# Altium PCB PCB22.PcbDoc (part 9 of 16) (continued)
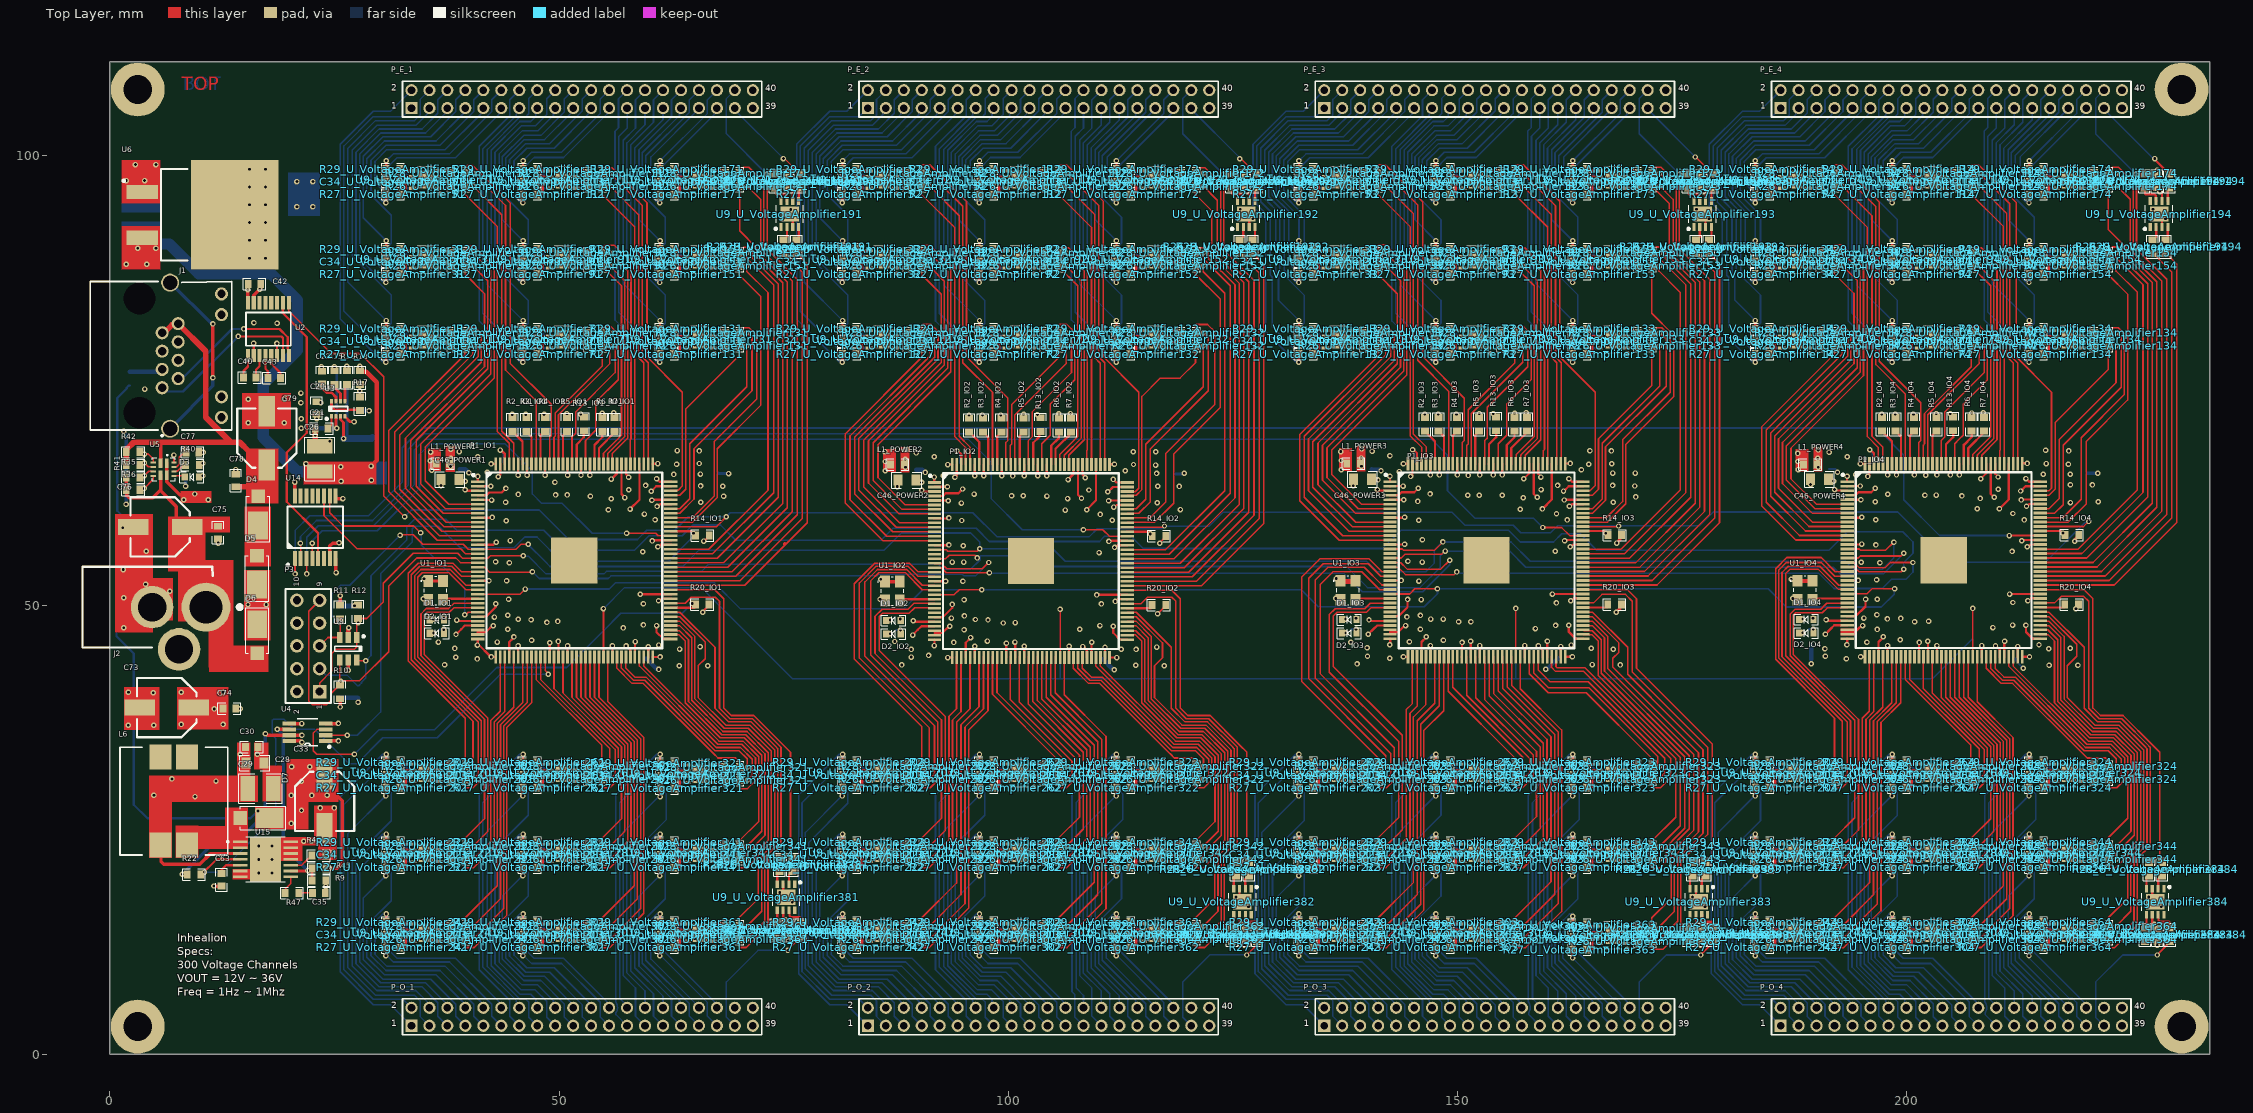
[diagram p0: Top Layer view]
## Nets (pads, with @x,y where several pads share a name; then routed paths per layer and width w, separated by ;. In a path a pad name is that pad's centre, name@x,y a point inside that pad or via, vN(x,y) a via of type N, cw(c..) or ccw(c..) an arc to the next point about the centre after c; other vN are vias at no path point) (continued)
  Top Layer w0.254: U9_U_VoltageAmplifier324.2@219.488,31.018 220.563,31.018 220.906,30.675 R26_U_VoltageAmplifier324.2@220.906,30.612
NetR26_U_VoltageAmplifier331_2: R26_U_VoltageAmplifier331.2 U9_U_VoltageAmplifier331.2 | length 1.6
  Bottom Layer w0.254: U9_U_VoltageAmplifier331.2@67.118,31.577 68.208,31.577 68.536,31.905 R26_U_VoltageAmplifier331.2@68.536,31.968
NetR26_U_VoltageAmplifier332_2: R26_U_VoltageAmplifier332.2 U9_U_VoltageAmplifier332.2 | length 1.6
  Bottom Layer w0.254: U9_U_VoltageAmplifier332.2@117.888,31.668 118.978,31.668 119.306,31.996 R26_U_VoltageAmplifier332.2@119.306,32.059
NetR26_U_VoltageAmplifier333_2: R26_U_VoltageAmplifier333.2 U9_U_VoltageAmplifier333.2 | length 1.6
  Bottom Layer w0.254: U9_U_VoltageAmplifier333.2@168.688,31.668 169.778,31.668 170.106,31.996 R26_U_VoltageAmplifier333.2@170.106,32.059
NetR26_U_VoltageAmplifier334_2: R26_U_VoltageAmplifier334.2 U9_U_VoltageAmplifier334.2 | length 1.6
  Bottom Layer w0.254: U9_U_VoltageAmplifier334.2@219.488,31.668 220.578,31.668 220.906,31.996 R26_U_VoltageAmplifier334.2@220.906,32.059
NetR26_U_VoltageAmplifier341_2: R26_U_VoltageAmplifier341.2 U9_U_VoltageAmplifier341.2 | length 1.6
  Top Layer w0.254: U9_U_VoltageAmplifier341.2@67.088,22.128 68.163,22.128 68.506,21.785 R26_U_VoltageAmplifier341.2@68.506,21.722
NetR26_U_VoltageAmplifier342_2: R26_U_VoltageAmplifier342.2 U9_U_VoltageAmplifier342.2 | length 1.6
  Top Layer w0.254: U9_U_VoltageAmplifier342.2@117.888,22.128 118.963,22.128 119.306,21.785 R26_U_VoltageAmplifier342.2@119.306,21.722
NetR26_U_VoltageAmplifier343_2: R26_U_VoltageAmplifier343.2 U9_U_VoltageAmplifier343.2 | length 1.6
  Top Layer w0.254: U9_U_VoltageAmplifier343.2@168.688,22.128 169.763,22.128 170.106,21.785 R26_U_VoltageAmplifier343.2@170.106,21.722
NetR26_U_VoltageAmplifier344_2: R26_U_VoltageAmplifier344.2 U9_U_VoltageAmplifier344.2 | length 1.6
  Top Layer w0.254: U9_U_VoltageAmplifier344.2@219.488,22.128 220.563,22.128 220.906,21.785 R26_U_VoltageAmplifier344.2@220.906,21.722
NetR26_U_VoltageAmplifier351_2: R26_U_VoltageAmplifier351.2 U9_U_VoltageAmplifier351.2 | length 1.6
  Bottom Layer w0.254: U9_U_VoltageAmplifier351.2@67.088,22.778 68.178,22.778 68.506,23.106 R26_U_VoltageAmplifier351.2@68.506,23.169
NetR26_U_VoltageAmplifier352_2: R26_U_VoltageAmplifier352.2 U9_U_VoltageAmplifier352.2 | length 1.6
  Bottom Layer w0.254: U9_U_VoltageAmplifier352.2@117.888,22.778 118.978,22.778 119.306,23.106 R26_U_VoltageAmplifier352.2@119.306,23.169
NetR26_U_VoltageAmplifier353_2: R26_U_VoltageAmplifier353.2 U9_U_VoltageAmplifier353.2 | length 1.6
  Bottom Layer w0.254: U9_U_VoltageAmplifier353.2@168.688,22.778 169.778,22.778 170.106,23.106 R26_U_VoltageAmplifier353.2@170.106,23.169
NetR26_U_VoltageAmplifier354_2: R26_U_VoltageAmplifier354.2 U9_U_VoltageAmplifier354.2 | length 1.6
  Bottom Layer w0.254: U9_U_VoltageAmplifier354.2@219.488,22.778 220.578,22.778 220.906,23.106 R26_U_VoltageAmplifier354.2@220.906,23.169
NetR26_U_VoltageAmplifier361_2: R26_U_VoltageAmplifier361.2 U9_U_VoltageAmplifier361.2 | length 1.6
  Top Layer w0.254: U9_U_VoltageAmplifier361.2@67.088,13.238 68.163,13.238 68.506,12.895 R26_U_VoltageAmplifier361.2@68.506,12.832
NetR26_U_VoltageAmplifier362_2: R26_U_VoltageAmplifier362.2 U9_U_VoltageAmplifier362.2 | length 1.6
  Top Layer w0.254: U9_U_VoltageAmplifier362.2@117.888,13.238 118.963,13.238 119.306,12.895 R26_U_VoltageAmplifier362.2@119.306,12.832
NetR26_U_VoltageAmplifier363_2: R26_U_VoltageAmplifier363.2 U9_U_VoltageAmplifier363.2 | length 1.6
  Top Layer w0.254: U9_U_VoltageAmplifier363.2@168.688,12.984 169.763,12.984 170.106,12.641 R26_U_VoltageAmplifier363.2@170.106,12.578
NetR26_U_VoltageAmplifier364_2: R26_U_VoltageAmplifier364.2 U9_U_VoltageAmplifier364.2 | length 1.6
  Top Layer w0.254: U9_U_VoltageAmplifier364.2@219.488,13.238 220.563,13.238 220.906,12.895 R26_U_VoltageAmplifier364.2@220.906,12.832
NetR26_U_VoltageAmplifier371_2: R26_U_VoltageAmplifier371.2 U9_U_VoltageAmplifier371.2 | length 1.6
  Bottom Layer w0.254: U9_U_VoltageAmplifier371.2@67.088,13.888 68.178,13.888 68.506,14.216 R26_U_VoltageAmplifier371.2@68.506,14.279
NetR26_U_VoltageAmplifier372_2: R26_U_VoltageAmplifier372.2 U9_U_VoltageAmplifier372.2 | length 1.6
  Bottom Layer w0.254: U9_U_VoltageAmplifier372.2@117.888,13.888 118.978,13.888 119.306,14.216 R26_U_VoltageAmplifier372.2@119.306,14.279
NetR26_U_VoltageAmplifier373_2: R26_U_VoltageAmplifier373.2 U9_U_VoltageAmplifier373.2 | length 1.6
  Bottom Layer w0.254: U9_U_VoltageAmplifier373.2@168.688,13.634 169.778,13.634 170.106,13.962 R26_U_VoltageAmplifier373.2@170.106,14.025
NetR26_U_VoltageAmplifier374_2: R26_U_VoltageAmplifier374.2 U9_U_VoltageAmplifier374.2 | length 1.6
  Bottom Layer w0.254: U9_U_VoltageAmplifier374.2@219.488,13.888 220.578,13.888 220.906,14.216 R26_U_VoltageAmplifier374.2@220.906,14.279
NetR26_U_VoltageAmplifier381_2: R26_U_VoltageAmplifier381.2 U9_U_VoltageAmplifier381.2 | length 1.6
  Top Layer w0.254: U9_U_VoltageAmplifier381.2@75.582,18.938 75.582,20.013 75.925,20.356 R26_U_VoltageAmplifier381.2@75.988,20.356
NetR26_U_VoltageAmplifier382_2: R26_U_VoltageAmplifier382.2 U9_U_VoltageAmplifier382.2 | length 1.6
  Top Layer w0.254: U9_U_VoltageAmplifier382.2@126.382,18.43 126.382,19.505 126.725,19.848 R26_U_VoltageAmplifier382.2@126.788,19.848
NetR26_U_VoltageAmplifier383_2: R26_U_VoltageAmplifier383.2 U9_U_VoltageAmplifier383.2 | length 1.6
  Top Layer w0.254: U9_U_VoltageAmplifier383.2@177.182,18.43 177.182,19.505 177.525,19.848 R26_U_VoltageAmplifier383.2@177.588,19.848
NetR26_U_VoltageAmplifier384_2: R26_U_VoltageAmplifier384.2 U9_U_VoltageAmplifier384.2 | length 1.6
  Top Layer w0.254: U9_U_VoltageAmplifier384.2@227.982,18.43 227.982,19.505 228.325,19.848 R26_U_VoltageAmplifier384.2@228.388,19.848
NetR27_U_VoltageAmplifier11_1: R27_U_VoltageAmplifier11.1 U9_U_VoltageAmplifier11.7 | length 2.6
  Top Layer w0.254: R27_U_VoltageAmplifier11.1@32.26,77.957 32.336,78.033 32.873,78.033 32.946,78.106 32.946,79.081 33.095,79.23 33.66,79.23 U9_U_VoltageAmplifier11.7@33.708,79.278
NetR27_U_VoltageAmplifier12_1: R27_U_VoltageAmplifier12.1 U9_U_VoltageAmplifier12.7 | length 2.6
  Top Layer w0.254: R27_U_VoltageAmplifier12.1@83.06,77.957 83.136,78.033 83.673,78.033 83.746,78.106 83.746,79.081 83.895,79.23 84.46,79.23 U9_U_VoltageAmplifier12.7@84.508,79.278
NetR27_U_VoltageAmplifier13_1: R27_U_VoltageAmplifier13.1 U9_U_VoltageAmplifier13.7 | length 2.6
  Top Layer w0.254: R27_U_VoltageAmplifier13.1@133.86,77.957 133.936,78.033 134.473,78.033 134.546,78.106 134.546,79.081 134.695,79.23 135.26,79.23 U9_U_VoltageAmplifier13.7@135.308,79.278
NetR27_U_VoltageAmplifier14_1: R27_U_VoltageAmplifier14.1 U9_U_VoltageAmplifier14.7 | length 2.6
  Top Layer w0.254: R27_U_VoltageAmplifier14.1@184.66,77.957 184.736,78.033 185.273,78.033 185.346,78.106 185.346,79.081 185.495,79.23 186.06,79.23 U9_U_VoltageAmplifier14.7@186.108,79.278
NetR27_U_VoltageAmplifier21_1: R27_U_VoltageAmplifier21.1 U9_U_VoltageAmplifier21.7 | length 1.8
  Bottom Layer w0.254: R27_U_VoltageAmplifier21.1@32.26,80.751 32.26,80.688 32.514,80.434 32.779,80.434 33.237,79.976 33.66,79.976 U9_U_VoltageAmplifier21.7@33.708,79.928
NetR27_U_VoltageAmplifier22_1: R27_U_VoltageAmplifier22.1 U9_U_VoltageAmplifier22.7 | length 1.8
  Bottom Layer w0.254: R27_U_VoltageAmplifier22.1@83.06,80.751 83.06,80.688 83.314,80.434 83.579,80.434 84.037,79.976 84.46,79.976 U9_U_VoltageAmplifier22.7@84.508,79.928
NetR27_U_VoltageAmplifier23_1: R27_U_VoltageAmplifier23.1 U9_U_VoltageAmplifier23.7 | length 1.8
  Bottom Layer w0.254: R27_U_VoltageAmplifier23.1@133.86,80.751 133.86,80.688 134.114,80.434 134.379,80.434 134.837,79.976 135.26,79.976 U9_U_VoltageAmplifier23.7@135.308,79.928
NetR27_U_VoltageAmplifier24_1: R27_U_VoltageAmplifier24.1 U9_U_VoltageAmplifier24.7 | length 1.8
  Bottom Layer w0.254: R27_U_VoltageAmplifier24.1@184.66,80.751 184.66,80.688 184.914,80.434 185.179,80.434 185.637,79.976 186.06,79.976 U9_U_VoltageAmplifier24.7@186.108,79.928
NetR27_U_VoltageAmplifier31_1: R27_U_VoltageAmplifier31.1 U9_U_VoltageAmplifier31.7 | length 2.6
  Top Layer w0.254: R27_U_VoltageAmplifier31.1@32.26,86.847 32.336,86.923 32.873,86.923 32.946,86.996 32.946,87.971 33.095,88.12 33.66,88.12 U9_U_VoltageAmplifier31.7@33.708,88.168
NetR27_U_VoltageAmplifier32_1: R27_U_VoltageAmplifier32.1 U9_U_VoltageAmplifier32.7 | length 2.6
  Top Layer w0.254: R27_U_VoltageAmplifier32.1@83.06,86.847 83.136,86.923 83.673,86.923 83.746,86.996 83.746,87.971 83.895,88.12 84.46,88.12 U9_U_VoltageAmplifier32.7@84.508,88.168
NetR27_U_VoltageAmplifier33_1: R27_U_VoltageAmplifier33.1 U9_U_VoltageAmplifier33.7 | length 2.6
  Top Layer w0.254: R27_U_VoltageAmplifier33.1@133.86,86.847 133.936,86.923 134.473,86.923 134.546,86.996 134.546,87.971 134.695,88.12 135.26,88.12 U9_U_VoltageAmplifier33.7@135.308,88.168
NetR27_U_VoltageAmplifier34_1: R27_U_VoltageAmplifier34.1 U9_U_VoltageAmplifier34.7 | length 2.6
  Top Layer w0.254: R27_U_VoltageAmplifier34.1@184.66,86.847 184.736,86.923 185.273,86.923 185.346,86.996 185.346,87.971 185.495,88.12 186.06,88.12 U9_U_VoltageAmplifier34.7@186.108,88.168
NetR27_U_VoltageAmplifier41_1: R27_U_VoltageAmplifier41.1 U9_U_VoltageAmplifier41.7 | length 1.8
  Bottom Layer w0.254: R27_U_VoltageAmplifier41.1@32.26,89.641 32.26,89.578 32.514,89.324 32.779,89.324 33.237,88.866 33.66,88.866 U9_U_VoltageAmplifier41.7@33.708,88.818
NetR27_U_VoltageAmplifier42_1: R27_U_VoltageAmplifier42.1 U9_U_VoltageAmplifier42.7 | length 1.8
  Bottom Layer w0.254: R27_U_VoltageAmplifier42.1@83.06,89.641 83.06,89.578 83.314,89.324 83.579,89.324 84.037,88.866 84.46,88.866 U9_U_VoltageAmplifier42.7@84.508,88.818
NetR27_U_VoltageAmplifier43_1: R27_U_VoltageAmplifier43.1 U9_U_VoltageAmplifier43.7 | length 1.8
  Bottom Layer w0.254: R27_U_VoltageAmplifier43.1@133.86,89.641 133.86,89.578 134.114,89.324 134.379,89.324 134.837,88.866 135.26,88.866 U9_U_VoltageAmplifier43.7@135.308,88.818
NetR27_U_VoltageAmplifier44_1: R27_U_VoltageAmplifier44.1 U9_U_VoltageAmplifier44.7 | length 1.8
  Bottom Layer w0.254: R27_U_VoltageAmplifier44.1@184.66,89.641 184.66,89.578 184.914,89.324 185.179,89.324 185.637,88.866 186.06,88.866 U9_U_VoltageAmplifier44.7@186.108,88.818
NetR27_U_VoltageAmplifier51_1: R27_U_VoltageAmplifier51.1 U9_U_VoltageAmplifier51.7 | length 2.6
  Top Layer w0.254: R27_U_VoltageAmplifier51.1@32.26,95.737 32.336,95.813 32.873,95.813 32.946,95.886 32.946,96.861 33.095,97.01 33.66,97.01 U9_U_VoltageAmplifier51.7@33.708,97.058
NetR27_U_VoltageAmplifier52_1: R27_U_VoltageAmplifier52.1 U9_U_VoltageAmplifier52.7 | length 2.6
  Top Layer w0.254: R27_U_VoltageAmplifier52.1@83.06,95.737 83.136,95.813 83.673,95.813 83.746,95.886 83.746,96.861 83.895,97.01 84.46,97.01 U9_U_VoltageAmplifier52.7@84.508,97.058
NetR27_U_VoltageAmplifier53_1: R27_U_VoltageAmplifier53.1 U9_U_VoltageAmplifier53.7 | length 2.6
  Top Layer w0.254: R27_U_VoltageAmplifier53.1@133.86,95.737 133.936,95.813 134.473,95.813 134.546,95.886 134.546,96.861 134.695,97.01 135.26,97.01 U9_U_VoltageAmplifier53.7@135.308,97.058
NetR27_U_VoltageAmplifier54_1: R27_U_VoltageAmplifier54.1 U9_U_VoltageAmplifier54.7 | length 2.6
  Top Layer w0.254: R27_U_VoltageAmplifier54.1@184.66,95.737 184.736,95.813 185.273,95.813 185.346,95.886 185.346,96.861 185.495,97.01 186.06,97.01 U9_U_VoltageAmplifier54.7@186.108,97.058
NetR27_U_VoltageAmplifier61_1: R27_U_VoltageAmplifier61.1 U9_U_VoltageAmplifier61.7 | length 1.8
  Bottom Layer w0.254: R27_U_VoltageAmplifier61.1@32.26,98.531 32.26,98.468 32.514,98.214 32.779,98.214 33.237,97.756 33.66,97.756 U9_U_VoltageAmplifier61.7@33.708,97.708
NetR27_U_VoltageAmplifier62_1: R27_U_VoltageAmplifier62.1 U9_U_VoltageAmplifier62.7 | length 1.8
  Bottom Layer w0.254: R27_U_VoltageAmplifier62.1@83.06,98.531 83.06,98.468 83.314,98.214 83.579,98.214 84.037,97.756 84.46,97.756 U9_U_VoltageAmplifier62.7@84.508,97.708
NetR27_U_VoltageAmplifier63_1: R27_U_VoltageAmplifier63.1 U9_U_VoltageAmplifier63.7 | length 1.8
  Bottom Layer w0.254: R27_U_VoltageAmplifier63.1@133.86,98.531 133.86,98.468 134.114,98.214 134.379,98.214 134.837,97.756 135.26,97.756 U9_U_VoltageAmplifier63.7@135.308,97.708
NetR27_U_VoltageAmplifier64_1: R27_U_VoltageAmplifier64.1 U9_U_VoltageAmplifier64.7 | length 1.8
  Bottom Layer w0.254: R27_U_VoltageAmplifier64.1@184.66,98.531 184.66,98.468 184.914,98.214 185.179,98.214 185.637,97.756 186.06,97.756 U9_U_VoltageAmplifier64.7@186.108,97.708
NetR27_U_VoltageAmplifier71_1: R27_U_VoltageAmplifier71.1 U9_U_VoltageAmplifier71.7 | length 2.6
  Top Layer w0.254: R27_U_VoltageAmplifier71.1@47.5,77.957 47.576,78.033 48.113,78.033 48.186,78.106 48.186,79.081 48.335,79.23 48.9,79.23 U9_U_VoltageAmplifier71.7@48.948,79.278
NetR27_U_VoltageAmplifier72_1: R27_U_VoltageAmplifier72.1 U9_U_VoltageAmplifier72.7 | length 2.6
  Top Layer w0.254: R27_U_VoltageAmplifier72.1@98.3,77.957 98.376,78.033 98.913,78.033 98.986,78.106 98.986,79.081 99.135,79.23 99.7,79.23 U9_U_VoltageAmplifier72.7@99.748,79.278
NetR27_U_VoltageAmplifier73_1: R27_U_VoltageAmplifier73.1 U9_U_VoltageAmplifier73.7 | length 2.6
  Top Layer w0.254: R27_U_VoltageAmplifier73.1@149.1,77.957 149.176,78.033 149.713,78.033 149.786,78.106 149.786,79.081 149.935,79.23 150.5,79.23 U9_U_VoltageAmplifier73.7@150.548,79.278
NetR27_U_VoltageAmplifier74_1: R27_U_VoltageAmplifier74.1 U9_U_VoltageAmplifier74.7 | length 2.6
  Top Layer w0.254: R27_U_VoltageAmplifier74.1@199.9,77.957 199.976,78.033 200.513,78.033 200.586,78.106 200.586,79.081 200.735,79.23 201.3,79.23 U9_U_VoltageAmplifier74.7@201.348,79.278
NetR27_U_VoltageAmplifier81_1: R27_U_VoltageAmplifier81.1 U9_U_VoltageAmplifier81.7 | length 1.8
  Bottom Layer w0.254: R27_U_VoltageAmplifier81.1@47.5,80.751 47.5,80.688 47.754,80.434 48.019,80.434 48.477,79.976 48.9,79.976 U9_U_VoltageAmplifier81.7@48.948,79.928
NetR27_U_VoltageAmplifier82_1: R27_U_VoltageAmplifier82.1 U9_U_VoltageAmplifier82.7 | length 1.8
  Bottom Layer w0.254: R27_U_VoltageAmplifier82.1@98.3,80.751 98.3,80.688 98.554,80.434 98.819,80.434 99.277,79.976 99.7,79.976 U9_U_VoltageAmplifier82.7@99.748,79.928
NetR27_U_VoltageAmplifier83_1: R27_U_VoltageAmplifier83.1 U9_U_VoltageAmplifier83.7 | length 1.8
  Bottom Layer w0.254: R27_U_VoltageAmplifier83.1@149.1,80.751 149.1,80.688 149.354,80.434 149.619,80.434 150.077,79.976 150.5,79.976 U9_U_VoltageAmplifier83.7@150.548,79.928
NetR27_U_VoltageAmplifier84_1: R27_U_VoltageAmplifier84.1 U9_U_VoltageAmplifier84.7 | length 1.8
  Bottom Layer w0.254: R27_U_VoltageAmplifier84.1@199.9,80.751 199.9,80.688 200.154,80.434 200.419,80.434 200.877,79.976 201.3,79.976 U9_U_VoltageAmplifier84.7@201.348,79.928
NetR27_U_VoltageAmplifier91_1: R27_U_VoltageAmplifier91.1 U9_U_VoltageAmplifier91.7 | length 2.6
  Top Layer w0.254: R27_U_VoltageAmplifier91.1@47.5,86.847 47.576,86.923 48.113,86.923 48.186,86.996 48.186,87.971 48.335,88.12 48.9,88.12 U9_U_VoltageAmplifier91.7@48.948,88.168
NetR27_U_VoltageAmplifier92_1: R27_U_VoltageAmplifier92.1 U9_U_VoltageAmplifier92.7 | length 2.6
  Top Layer w0.254: R27_U_VoltageAmplifier92.1@98.3,86.847 98.376,86.923 98.913,86.923 98.986,86.996 98.986,87.971 99.135,88.12 99.7,88.12 U9_U_VoltageAmplifier92.7@99.748,88.168
NetR27_U_VoltageAmplifier93_1: R27_U_VoltageAmplifier93.1 U9_U_VoltageAmplifier93.7 | length 2.6
  Top Layer w0.254: R27_U_VoltageAmplifier93.1@149.1,86.847 149.176,86.923 149.713,86.923 149.786,86.996 149.786,87.971 149.935,88.12 150.5,88.12 U9_U_VoltageAmplifier93.7@150.548,88.168
NetR27_U_VoltageAmplifier94_1: R27_U_VoltageAmplifier94.1 U9_U_VoltageAmplifier94.7 | length 2.6
  Top Layer w0.254: R27_U_VoltageAmplifier94.1@199.9,86.847 199.976,86.923 200.513,86.923 200.586,86.996 200.586,87.971 200.735,88.12 201.3,88.12 U9_U_VoltageAmplifier94.7@201.348,88.168
NetR27_U_VoltageAmplifier101_1: R27_U_VoltageAmplifier101.1 U9_U_VoltageAmplifier101.7 | length 1.8
  Bottom Layer w0.254: R27_U_VoltageAmplifier101.1@47.5,89.641 47.5,89.578 47.754,89.324 48.019,89.324 48.477,88.866 48.9,88.866 U9_U_VoltageAmplifier101.7@48.948,88.818
NetR27_U_VoltageAmplifier102_1: R27_U_VoltageAmplifier102.1 U9_U_VoltageAmplifier102.7 | length 1.8
  Bottom Layer w0.254: R27_U_VoltageAmplifier102.1@98.3,89.641 98.3,89.578 98.554,89.324 98.819,89.324 99.277,88.866 99.7,88.866 U9_U_VoltageAmplifier102.7@99.748,88.818
NetR27_U_VoltageAmplifier103_1: R27_U_VoltageAmplifier103.1 U9_U_VoltageAmplifier103.7 | length 1.8
  Bottom Layer w0.254: R27_U_VoltageAmplifier103.1@149.1,89.641 149.1,89.578 149.354,89.324 149.619,89.324 150.077,88.866 150.5,88.866 U9_U_VoltageAmplifier103.7@150.548,88.818
NetR27_U_VoltageAmplifier104_1: R27_U_VoltageAmplifier104.1 U9_U_VoltageAmplifier104.7 | length 1.8
  Bottom Layer w0.254: R27_U_VoltageAmplifier104.1@199.9,89.641 199.9,89.578 200.154,89.324 200.419,89.324 200.877,88.866 201.3,88.866 U9_U_VoltageAmplifier104.7@201.348,88.818
NetR27_U_VoltageAmplifier111_1: R27_U_VoltageAmplifier111.1 U9_U_VoltageAmplifier111.7 | length 2.6
  Top Layer w0.254: R27_U_VoltageAmplifier111.1@47.5,95.737 47.576,95.813 48.113,95.813 48.186,95.886 48.186,96.861 48.335,97.01 48.9,97.01 U9_U_VoltageAmplifier111.7@48.948,97.058
NetR27_U_VoltageAmplifier112_1: R27_U_VoltageAmplifier112.1 U9_U_VoltageAmplifier112.7 | length 2.6
  Top Layer w0.254: R27_U_VoltageAmplifier112.1@98.3,95.737 98.376,95.813 98.913,95.813 98.986,95.886 98.986,96.861 99.135,97.01 99.7,97.01 U9_U_VoltageAmplifier112.7@99.748,97.058
NetR27_U_VoltageAmplifier113_1: R27_U_VoltageAmplifier113.1 U9_U_VoltageAmplifier113.7 | length 2.6
  Top Layer w0.254: R27_U_VoltageAmplifier113.1@149.1,95.737 149.176,95.813 149.713,95.813 149.786,95.886 149.786,96.861 149.935,97.01 150.5,97.01 U9_U_VoltageAmplifier113.7@150.548,97.058
NetR27_U_VoltageAmplifier114_1: R27_U_VoltageAmplifier114.1 U9_U_VoltageAmplifier114.7 | length 2.6
  Top Layer w0.254: R27_U_VoltageAmplifier114.1@199.9,95.737 199.976,95.813 200.513,95.813 200.586,95.886 200.586,96.861 200.735,97.01 201.3,97.01 U9_U_VoltageAmplifier114.7@201.348,97.058
NetR27_U_VoltageAmplifier121_1: R27_U_VoltageAmplifier121.1 U9_U_VoltageAmplifier121.7 | length 1.8
  Bottom Layer w0.254: R27_U_VoltageAmplifier121.1@47.5,98.531 47.5,98.468 47.754,98.214 48.019,98.214 48.477,97.756 48.9,97.756 U9_U_VoltageAmplifier121.7@48.948,97.708
NetR27_U_VoltageAmplifier122_1: R27_U_VoltageAmplifier122.1 U9_U_VoltageAmplifier122.7 | length 1.8
  Bottom Layer w0.254: R27_U_VoltageAmplifier122.1@98.3,98.531 98.3,98.468 98.554,98.214 98.819,98.214 99.277,97.756 99.7,97.756 U9_U_VoltageAmplifier122.7@99.748,97.708
NetR27_U_VoltageAmplifier123_1: R27_U_VoltageAmplifier123.1 U9_U_VoltageAmplifier123.7 | length 1.8
  Bottom Layer w0.254: R27_U_VoltageAmplifier123.1@149.1,98.531 149.1,98.468 149.354,98.214 149.619,98.214 150.077,97.756 150.5,97.756 U9_U_VoltageAmplifier123.7@150.548,97.708
NetR27_U_VoltageAmplifier124_1: R27_U_VoltageAmplifier124.1 U9_U_VoltageAmplifier124.7 | length 1.8
  Bottom Layer w0.254: R27_U_VoltageAmplifier124.1@199.9,98.531 199.9,98.468 200.154,98.214 200.419,98.214 200.877,97.756 201.3,97.756 U9_U_VoltageAmplifier124.7@201.348,97.708
NetR27_U_VoltageAmplifier131_1: R27_U_VoltageAmplifier131.1 U9_U_VoltageAmplifier131.7 | length 2.6
  Top Layer w0.254: R27_U_VoltageAmplifier131.1@62.74,77.957 62.816,78.033 63.353,78.033 63.426,78.106 63.426,79.081 63.575,79.23 64.14,79.23 U9_U_VoltageAmplifier131.7@64.188,79.278
NetR27_U_VoltageAmplifier132_1: R27_U_VoltageAmplifier132.1 U9_U_VoltageAmplifier132.7 | length 2.6
  Top Layer w0.254: R27_U_VoltageAmplifier132.1@113.54,77.957 113.616,78.033 114.153,78.033 114.226,78.106 114.226,79.081 114.375,79.23 114.94,79.23 U9_U_VoltageAmplifier132.7@114.988,79.278
NetR27_U_VoltageAmplifier133_1: R27_U_VoltageAmplifier133.1 U9_U_VoltageAmplifier133.7 | length 2.6
  Top Layer w0.254: R27_U_VoltageAmplifier133.1@164.34,77.957 164.416,78.033 164.953,78.033 165.026,78.106 165.026,79.081 165.175,79.23 165.74,79.23 U9_U_VoltageAmplifier133.7@165.788,79.278
NetR27_U_VoltageAmplifier134_1: R27_U_VoltageAmplifier134.1 U9_U_VoltageAmplifier134.7 | length 2.6
  Top Layer w0.254: R27_U_VoltageAmplifier134.1@215.14,77.957 215.216,78.033 215.753,78.033 215.826,78.106 215.826,79.081 215.975,79.23 216.54,79.23 U9_U_VoltageAmplifier134.7@216.588,79.278
NetR27_U_VoltageAmplifier141_1: R27_U_VoltageAmplifier141.1 U9_U_VoltageAmplifier141.7 | length 1.8
  Bottom Layer w0.254: R27_U_VoltageAmplifier141.1@62.74,80.751 62.74,80.688 62.994,80.434 63.259,80.434 63.717,79.976 64.14,79.976 U9_U_VoltageAmplifier141.7@64.188,79.928
NetR27_U_VoltageAmplifier142_1: R27_U_VoltageAmplifier142.1 U9_U_VoltageAmplifier142.7 | length 1.8
  Bottom Layer w0.254: R27_U_VoltageAmplifier142.1@113.54,80.751 113.54,80.688 113.794,80.434 114.059,80.434 114.517,79.976 114.94,79.976 U9_U_VoltageAmplifier142.7@114.988,79.928
NetR27_U_VoltageAmplifier143_1: R27_U_VoltageAmplifier143.1 U9_U_VoltageAmplifier143.7 | length 1.8
  Bottom Layer w0.254: R27_U_VoltageAmplifier143.1@164.34,80.751 164.34,80.688 164.594,80.434 164.859,80.434 165.317,79.976 165.74,79.976 U9_U_VoltageAmplifier143.7@165.788,79.928
NetR27_U_VoltageAmplifier144_1: R27_U_VoltageAmplifier144.1 U9_U_VoltageAmplifier144.7 | length 1.8
  Bottom Layer w0.254: R27_U_VoltageAmplifier144.1@215.14,80.751 215.14,80.688 215.394,80.434 215.659,80.434 216.117,79.976 216.54,79.976 U9_U_VoltageAmplifier144.7@216.588,79.928
NetR27_U_VoltageAmplifier151_1: R27_U_VoltageAmplifier151.1 U9_U_VoltageAmplifier151.7 | length 2.6
  Top Layer w0.254: R27_U_VoltageAmplifier151.1@62.74,86.847 62.816,86.923 63.353,86.923 63.426,86.996 63.426,87.971 63.575,88.12 64.14,88.12 U9_U_VoltageAmplifier151.7@64.188,88.168
NetR27_U_VoltageAmplifier152_1: R27_U_VoltageAmplifier152.1 U9_U_VoltageAmplifier152.7 | length 2.6
  Top Layer w0.254: R27_U_VoltageAmplifier152.1@113.54,86.847 113.616,86.923 114.153,86.923 114.226,86.996 114.226,87.971 114.375,88.12 114.94,88.12 U9_U_VoltageAmplifier152.7@114.988,88.168
NetR27_U_VoltageAmplifier153_1: R27_U_VoltageAmplifier153.1 U9_U_VoltageAmplifier153.7 | length 2.6
  Top Layer w0.254: R27_U_VoltageAmplifier153.1@164.34,86.847 164.416,86.923 164.953,86.923 165.026,86.996 165.026,87.971 165.175,88.12 165.74,88.12 U9_U_VoltageAmplifier153.7@165.788,88.168
NetR27_U_VoltageAmplifier154_1: R27_U_VoltageAmplifier154.1 U9_U_VoltageAmplifier154.7 | length 2.6
  Top Layer w0.254: R27_U_VoltageAmplifier154.1@215.14,86.847 215.216,86.923 215.753,86.923 215.826,86.996 215.826,87.971 215.975,88.12 216.54,88.12 U9_U_VoltageAmplifier154.7@216.588,88.168
NetR27_U_VoltageAmplifier161_1: R27_U_VoltageAmplifier161.1 U9_U_VoltageAmplifier161.7 | length 1.8
  Bottom Layer w0.254: R27_U_VoltageAmplifier161.1@62.74,89.641 62.74,89.578 62.994,89.324 63.259,89.324 63.717,88.866 64.14,88.866 U9_U_VoltageAmplifier161.7@64.188,88.818
NetR27_U_VoltageAmplifier162_1: R27_U_VoltageAmplifier162.1 U9_U_VoltageAmplifier162.7 | length 1.8
  Bottom Layer w0.254: R27_U_VoltageAmplifier162.1@113.54,89.641 113.54,89.578 113.794,89.324 114.059,89.324 114.517,88.866 114.94,88.866 U9_U_VoltageAmplifier162.7@114.988,88.818
NetR27_U_VoltageAmplifier163_1: R27_U_VoltageAmplifier163.1 U9_U_VoltageAmplifier163.7 | length 1.8
  Bottom Layer w0.254: R27_U_VoltageAmplifier163.1@164.34,89.641 164.34,89.578 164.594,89.324 164.859,89.324 165.317,88.866 165.74,88.866 U9_U_VoltageAmplifier163.7@165.788,88.818
NetR27_U_VoltageAmplifier164_1: R27_U_VoltageAmplifier164.1 U9_U_VoltageAmplifier164.7 | length 1.8
  Bottom Layer w0.254: R27_U_VoltageAmplifier164.1@215.14,89.641 215.14,89.578 215.394,89.324 215.659,89.324 216.117,88.866 216.54,88.866 U9_U_VoltageAmplifier164.7@216.588,88.818
NetR27_U_VoltageAmplifier171_1: R27_U_VoltageAmplifier171.1 U9_U_VoltageAmplifier171.7 | length 2.6
  Top Layer w0.254: R27_U_VoltageAmplifier171.1@62.74,95.737 62.816,95.813 63.353,95.813 63.426,95.886 63.426,96.861 63.575,97.01 64.14,97.01 U9_U_VoltageAmplifier171.7@64.188,97.058
NetR27_U_VoltageAmplifier172_1: R27_U_VoltageAmplifier172.1 U9_U_VoltageAmplifier172.7 | length 2.6
  Top Layer w0.254: R27_U_VoltageAmplifier172.1@113.54,95.737 113.616,95.813 114.153,95.813 114.226,95.886 114.226,96.861 114.375,97.01 114.94,97.01 U9_U_VoltageAmplifier172.7@114.988,97.058
NetR27_U_VoltageAmplifier173_1: R27_U_VoltageAmplifier173.1 U9_U_VoltageAmplifier173.7 | length 2.6
  Top Layer w0.254: R27_U_VoltageAmplifier173.1@164.34,95.737 164.416,95.813 164.953,95.813 165.026,95.886 165.026,96.861 165.175,97.01 165.74,97.01 U9_U_VoltageAmplifier173.7@165.788,97.058
NetR27_U_VoltageAmplifier174_1: R27_U_VoltageAmplifier174.1 U9_U_VoltageAmplifier174.7 | length 2.6
  Top Layer w0.254: R27_U_VoltageAmplifier174.1@215.14,95.737 215.216,95.813 215.753,95.813 215.826,95.886 215.826,96.861 215.975,97.01 216.54,97.01 U9_U_VoltageAmplifier174.7@216.588,97.058
NetR27_U_VoltageAmplifier181_1: R27_U_VoltageAmplifier181.1 U9_U_VoltageAmplifier181.7 | length 1.8
  Bottom Layer w0.254: R27_U_VoltageAmplifier181.1@62.74,98.531 62.74,98.468 62.994,98.214 63.259,98.214 63.717,97.756 64.14,97.756 U9_U_VoltageAmplifier181.7@64.188,97.708
NetR27_U_VoltageAmplifier182_1: R27_U_VoltageAmplifier182.1 U9_U_VoltageAmplifier182.7 | length 1.8
  Bottom Layer w0.254: R27_U_VoltageAmplifier182.1@113.54,98.531 113.54,98.468 113.794,98.214 114.059,98.214 114.517,97.756 114.94,97.756 U9_U_VoltageAmplifier182.7@114.988,97.708
NetR27_U_VoltageAmplifier183_1: R27_U_VoltageAmplifier183.1 U9_U_VoltageAmplifier183.7 | length 1.8
  Bottom Layer w0.254: R27_U_VoltageAmplifier183.1@164.34,98.531 164.34,98.468 164.594,98.214 164.859,98.214 165.317,97.756 165.74,97.756 U9_U_VoltageAmplifier183.7@165.788,97.708
NetR27_U_VoltageAmplifier184_1: R27_U_VoltageAmplifier184.1 U9_U_VoltageAmplifier184.7 | length 1.8
  Bottom Layer w0.254: R27_U_VoltageAmplifier184.1@215.14,98.531 215.14,98.468 215.394,98.214 215.659,98.214 216.117,97.756 216.54,97.756 U9_U_VoltageAmplifier184.7@216.588,97.708
NetR27_U_VoltageAmplifier191_1: R27_U_VoltageAmplifier191.1 U9_U_VoltageAmplifier191.7 | length 2.6
  Top Layer w0.254: R27_U_VoltageAmplifier191.1@74.037,96.438 74.113,96.362 74.113,95.825 74.186,95.752 75.161,95.752 75.31,95.603 75.31,95.038 U9_U_VoltageAmplifier191.7@75.358,94.99
NetR27_U_VoltageAmplifier192_1: R27_U_VoltageAmplifier192.1 U9_U_VoltageAmplifier192.7 | length 2.6
  Top Layer w0.254: R27_U_VoltageAmplifier192.1@124.837,96.438 124.913,96.362 124.913,95.825 124.986,95.752 125.961,95.752 126.11,95.603 126.11,95.038 U9_U_VoltageAmplifier192.7@126.158,94.99
NetR27_U_VoltageAmplifier193_1: R27_U_VoltageAmplifier193.1 U9_U_VoltageAmplifier193.7 | length 2.6
  Top Layer w0.254: R27_U_VoltageAmplifier193.1@175.637,96.438 175.713,96.362 175.713,95.825 175.786,95.752 176.761,95.752 176.91,95.603 176.91,95.038 U9_U_VoltageAmplifier193.7@176.958,94.99
NetR27_U_VoltageAmplifier194_1: R27_U_VoltageAmplifier194.1 U9_U_VoltageAmplifier194.7 | length 2.6
  Top Layer w0.254: R27_U_VoltageAmplifier194.1@226.437,96.438 226.513,96.362 226.513,95.825 226.586,95.752 227.561,95.752 227.71,95.603 227.71,95.038 U9_U_VoltageAmplifier194.7@227.758,94.99
NetR27_U_VoltageAmplifier201_1: R27_U_VoltageAmplifier201.1 U9_U_VoltageAmplifier201.7 | length 2.6
  Top Layer w0.254: R27_U_VoltageAmplifier201.1@32.26,29.697 32.336,29.773 32.873,29.773 32.946,29.846 32.946,30.821 33.095,30.97 33.66,30.97 U9_U_VoltageAmplifier201.7@33.708,31.018